# KiCad board Main.kicad_pcb (continued)
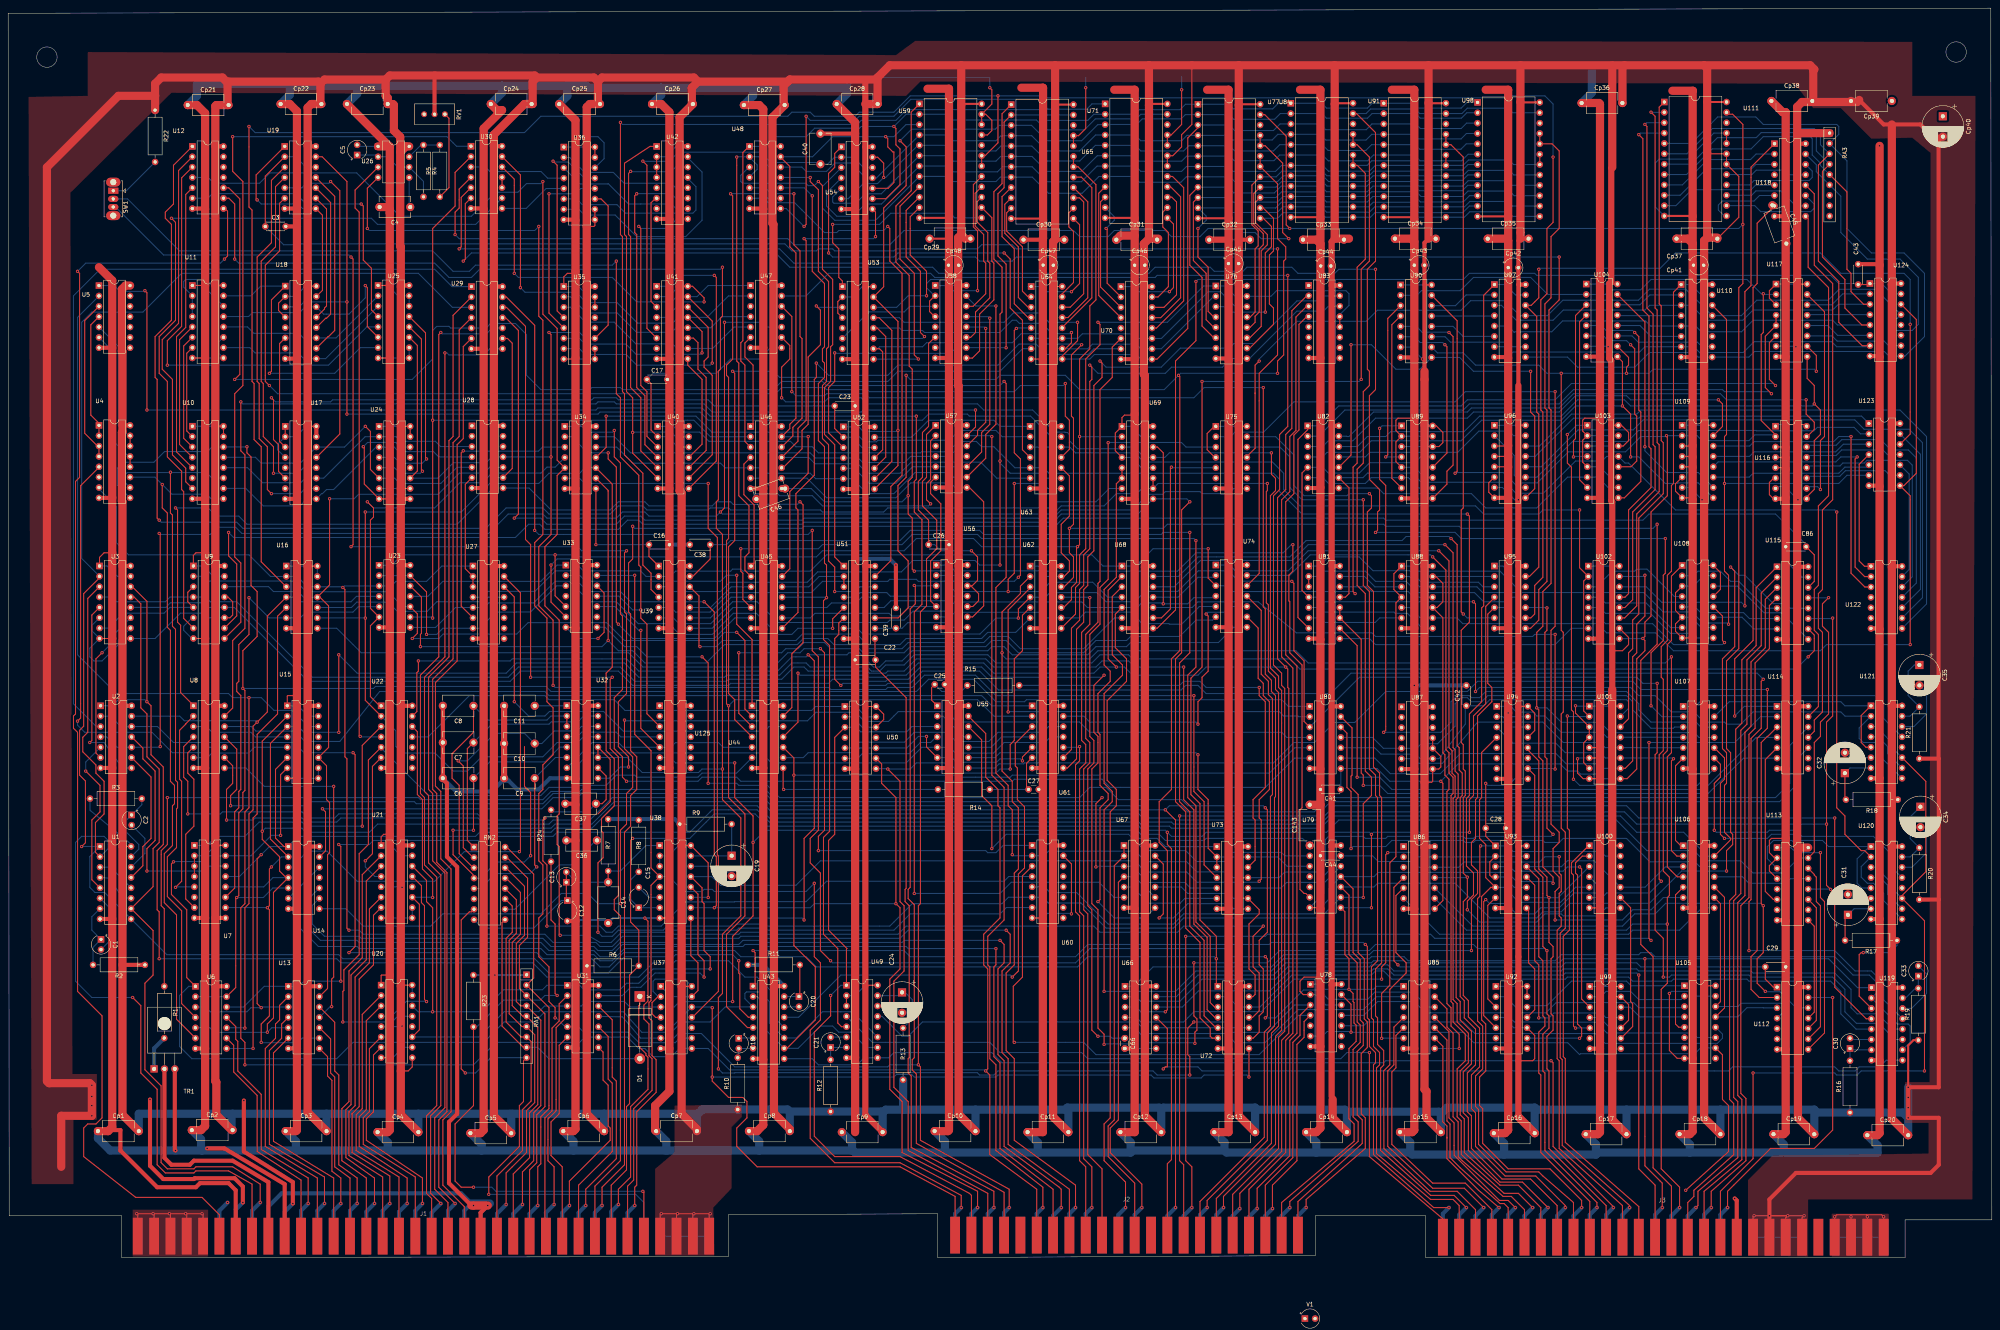
[diagram p0: board, top side]
## Routing (per net, layer and track width the routed paths; a pad name or vN(x,y) marks a point on that pad's centre or on a via; arc(x,y) is an arc through that point) (continued)
Net-(U102-CEP): length 63.1
  Bottom w0.25: U81.9 333.53,151.72 335,150.25 379,150.25 383,154.25 U102.7
Net-(U102-D0): length 27.6
  Bottom w0.25: U102.3 389.16,164.41 393,168.25 398.5,168.25 399,168.75 401.5,168.75 408.21,162.04 U108.4
Net-(U102-D1): length 26.1
  Bottom w0.25: U102.4 389.88,161.87 391.3,160.46 401.3,160.46 407.33,154.42 U108.7
Net-(U102-D2): length 33.7
  Bottom w0.25: U102.5 389.92,159.33 391.33,157.91 402.33,157.91 407.25,153 412.25,153 413.37,151.88 U108.9
Net-(U102-D3): length 46.2
  Top w0.25: U108.12 420,157.25 420,151.25 v1(420.5,150.75)
  Bottom w0.25: U102.6 389.96,156.79 391.38,155.38 402.88,155.38 408,150.25 420,150.25 v1(420.5,150.75)
Net-(U102-Q0): length 149
  Top w0.25: U118.1 427,267.28 427,238.25 425.5,236.75 v1(425.5,159.75)
  Bottom w0.25: v1(425.5,159.75) 424.62,160.62 405.12,160.62 401.34,164.41 U102.14
Net-(U102-Q1): length 125.1
  Top w0.25: v1(399.5,275.25) 400.5,274.25 400.5,232.25 402,230.75 402,198.75 402.5,198.25 402.5,188.75 397,183.25 397,162.75 396.12,161.87 U102.13
  Bottom w0.25: U111.4 399.88,275.63 v1(399.5,275.25)
Net-(U102-Q2): length 128.8
  Top w0.25: U102.12 396.08,159.33 398,161.25 398,182.75 403.5,188.25 403.5,198.75 403,199.25 403,231.25 401.5,232.75 401.5,277.25 v1(401,277.75)
  Bottom w0.25: v1(401,277.75) 401.42,278.17 U111.3
Net-(U102-Q3): length 132.9
  Top w0.25: v1(402.5,280.75) 403.5,279.75 403.5,232.75 404,232.25 404,199.75 404.5,199.25 404.5,187.75 399,182.25 399,159.75 396.04,156.79 U102.11
  Bottom w0.25: U111.2 402.54,280.71 v1(402.5,280.75)
Net-(U103-I1b): length 74.7
  Bottom w0.25: U103.10 391.99,188.76 389.45,191.3 U103.6 382.05,191.3 374.5,183.75 362,183.75 358.5,187.25 337,187.25 335.62,188.63 U82.8
Net-(U103-I1d): length 275.7
  Top w0.25: v1(448,182.75) 448,110.25 450,108.25 450,103.75 454,99.75 454.84,99.75 U120.2 ; U82.9 328.5,188.67 328.5,162.75 327.63,161.88 U81.13
  Bottom w0.25: v1(448,182.75) 447.5,183.25 408.5,183.25 397,194.75 396.13,194.75 U103.13 391.63,196.38 390.5,195.25 384,195.25 376.1,187.34 369.4,187.34 366.7,190.04 346.2,190.04 343.95,192.29 333.05,192.29 331.92,191.17 U82.9 ; U120.9 459.5,87.47 459.5,89.25 457,91.75 455.5,91.75 454,93.25 454,95.83 U120.2
Net-(U103-S): length 127.8
  Top w0.25: v1(383.5,117.25) 383.5,133.75 383,134.25 383,193.75 382,194.75 v1(382,201.75)
  Bottom w0.25: v1(383.5,117.25) 385,115.75 413.87,115.75 U107.8 ; U103.1 384.25,204 v1(382,201.75)
Net-(U103-Za): length 42
  Top w0.25: v1(383.5,196.25) 383.5,200.25 384,200.75 384,230.91 U104.3
  Bottom w0.25: v1(383.5,196.25) 383.63,196.38 U103.4
Net-(U103-Zb): length 43.7
  Top w0.25: U104.4 385,229.37 385,190.64 U103.7
Net-(U103-Zc): length 56.9
  Top w0.25: v1(398.5,226.75) 399.5,225.75 399.5,207.75 400,207.25 400,190.25 395.97,186.22 U103.9
  Bottom w0.25: U104.5 390.29,228.46 391.5,227.25 398,227.25 v1(398.5,226.75)
Net-(U103-Zd): length 46
  Top w0.25: v1(397.5,223.75) 398.5,222.75 398.5,206.75 399,206.25 399,195.25 397.59,193.84 U103.12
  Bottom w0.25: v1(397.5,223.75) 396.5,224.75 392,224.75 390.83,225.92 U104.6
Net-(U104-Q0): length 16.6
  Bottom w0.25: U104.14 399.79,233.54 402.21,235.96 U110.2
Net-(U104-Q1): length 15.7
  Bottom w0.25: U104.13 394.37,230.88 U110.4
Net-(U104-Q2): length 16.8
  Bottom w0.25: U110.6 402.55,225.8 402.5,225.75 399.79,228.46 U104.12
Net-(U104-Q3): length 24.5
  Bottom w0.25: U104.11 397.83,225.92 399.5,224.25 399.63,224.38 413.87,224.38 415,223.25 415.01,223.26 U110.10
Net-(U104-TC): length 61.6
  Top w0.25: v1(401,198.75) 401,229.33 U104.15
  Bottom w0.25: U109.10 414.08,192.43 406.32,192.43 401,197.75 v1(401,198.75)
Net-(U104-~{PE}): length 132.8
  Top w0.25: U104.9 395.5,219.59 v1(395.5,208.75) 397.5,206.75 v1(397.5,196.25)
  Bottom w0.25: v1(397.5,196.25) 399.5,196.25 406,189.75 409,189.75 409.13,189.88 414.08,189.88 U109.9 ; v1(395.5,208.75) 384,208.75 380.5,205.25 361,205.25 355.95,200.21 333.95,200.21 331.12,197.38 323.12,197.38 322,196.25 U82.4
Net-(U105-A3): length 49.7
  Top w0.25: U105.13 420.5,61.19 420.5,88.29 U106.10
  Bottom w0.25: U112.3 430.04,61.21 430,61.25 426,61.25 423.75,59 U105.13
Net-(U105-A4): length 49.5
  Top w0.25: U105.14 419.5,62.73 419.5,86.75 U106.9
  Bottom w0.25: U105.14 423.8,61.55 424.58,62.33 434.92,62.33 435.5,61.75 435.5,60.75 435.46,60.75 U112.4
Net-(U105-D0): length 41.7
  Bottom w0.25: U92.12 372.46,61.75 377,61.75 383,67.75 396.5,67.75 397.62,66.62 U105.1
Net-(U105-D1): length 24.9
  Bottom w0.25: U105.2 409.87,63.25 399.5,63.25 397.5,65.25 391.5,65.25 390.16,63.91 U99.2
Net-(U105-D2): length 49.5
  Bottom w0.25: U105.3 410.4,61.25 399.5,61.25 398.25,62.5 379.25,62.5 376.75,60 370.75,60 366.8,63.95 U92.2
Net-(U105-D3): length 16.6
  Bottom w0.25: U105.4 399.75,59 397.38,61.37 U99.12
Net-(U105-D4): length 36.8
  Top w0.25: U106.5 408.5,88.91 408.5,57.25 409.29,56.46 U105.5
Net-(U106-Pad1): length 23.4
  Top w0.25: U107.6 408.5,120.54 408.5,102.25 409.8,100.95 U106.1
Net-(U106-Pad8): length 82.4
  Bottom w0.25: U86.6 350.68,79.25 397,79.25 398,80.25 409.5,80.25 414.96,85.71 U106.8
Net-(U107-Pad2): length 434.8
  Top w0.25: v1(335,177.75) 335.5,178.25 335.5,182.75 336,183.25 336,188.25 333.5,190.75 333.5,211.25 335,212.75 v1(335,242.25) ; v1(406,176.25) 406,167.75 405.5,167.25 405.5,151.25 402.5,148.25 v1(402.5,135.25) ; v1(111.5,244.25) 112,244.75 112,258.33 U30.6
  Bottom w0.25: v1(402.5,135.25) 405.17,132.58 U107.2 ; v1(406,176.25) 356,176.25 354.5,177.75 v1(335,177.75) ; v1(111.5,244.25) 113.5,246.25 188,246.25 191.5,242.75 226.5,242.75 228,241.25 279.5,241.25 281,242.75 294.5,242.75 295.5,241.75 302.5,241.75 303.5,242.75 314.5,242.75 316,241.25 325,241.25 326,242.25 v1(335,242.25)
Net-(U108-I0a): length 27.5
  Bottom w0.25: U115.5 430.58,159.17 424,165.75 422,165.75 419.5,168.25 414,168.25 412.87,167.12 U108.2
Net-(U108-I0b): length 24.4
  Bottom w0.25: U108.5 413.25,159.5 414.67,158.09 425.17,158.09 426.62,156.63 U115.6
Net-(U108-I0c): length 16.8
  Bottom w0.25: U108.11 424.79,156.96 427.66,154.09 U115.7
Net-(U108-I0d): length 28.6
  Bottom w0.25: U115.9 434.5,158.04 430.2,158.04 423.67,164.58 U108.14
Net-(U109-Q0): length 74.5
  Top w0.25: U122.3 454.88,164.37 451.5,167.75 v1(451.5,201.25)
  Bottom w0.25: v1(451.5,201.25) 448.5,201.25 447.25,200 427.75,200 426.67,198.92 U109.14
Net-(U109-Q1): length 39.4
  Bottom w0.25: U123.3 449.62,199.37 447.75,197.5 427.75,197.5 426.63,196.38 U109.13
Net-(U109-Q2): length 68.3
  Top w0.25: v1(453,196.25) 452.5,195.75 452.5,169.25 454.84,166.91 U122.2
  Bottom w0.25: U109.12 418.94,195.03 447.79,195.03 449,196.25 v1(453,196.25)
Net-(U109-Q3): length 39.4
  Bottom w0.25: U109.11 426.55,191.3 427.5,192.25 448.5,192.25 450,193.75 455.34,193.75 U123.5
Net-(U109-TC): length 116.3
  Top w0.25: U109.15 420,203.71 420,209.25 v1(419,210.25)
  Bottom w0.25: v1(419,210.25) 397.5,210.25 396.5,211.25 384,211.25 380,207.25 359,207.25 357.5,205.75 335,205.75 329.45,200.21 323.45,200.21 322.04,198.79 U82.3
Net-(U110-I6): length 201.4
  Top w0.25: U110.14 421,229.92 421,201.75 420.5,201.25 v1(420.5,189.75) 420.5,168.25 421.5,167.25 v1(421.5,155.25)
  Bottom w0.25: U123.6 450.5,191.75 448.5,189.75 v1(420.5,189.75) ; U88.2 343.3,166.95 345.84,164.41 U88.12 359.84,164.41 361.25,163 400.75,163 405.5,158.25 412.5,158.25 415.2,155.54 421.2,155.54 v1(421.5,155.25)
Net-(U111-D0): length 30.1
  Bottom w0.25: U118.2 428.24,270.49 426.88,269.13 416.38,269.13 410.18,262.93 U111.9
Net-(U111-D1): length 30.1
  Bottom w0.25: U111.10 409.64,260.39 416.13,266.88 427.13,266.88 428.2,267.95 U118.3
Net-(U111-D2): length 29.1
  Bottom w0.25: U118.5 428.12,262.87 427,261.75 412.5,261.75 408.6,257.85 U111.11
Net-(U111-D3): length 18.6
  Bottom w0.25: U111.13 420.44,255.31 419,256.75 419,258 419.98,258.98 427.73,258.98 429.08,260.33 U118.6
Net-(U111-D4): length 26.4
  Bottom w0.25: U111.14 427.9,257.85 429.38,256.38 441.62,256.38 442.5,257.25 442.5,258.2 U118.11
Net-(U111-D5): length 21.3
  Bottom w0.25: U118.10 437.96,257.79 434.3,261.45 428.2,261.45 427.14,260.39 U111.15
Net-(U111-D6): length 25.6
  Bottom w0.25: U118.14 442,266.32 442,264.75 441.25,264 427.75,264 426.68,262.93 U111.16
Net-(U111-D7): length 20.3
  Bottom w0.25: U111.17 427.22,265.47 428.29,266.53 435.21,266.53 436.34,265.41 U118.13
Net-(U112A-CP): length 120.5
  Top w0.25: C29.1 430.5,68.25 432.46,66.29 U112.1 ; U86.4 339.5,90.75 339.5,72.75 v1(340.5,71.75)
  Bottom w0.25: v1(340.5,71.75) 341,71.25 380.5,71.25 381.5,72.25 399,72.25 400,71.25 C29.1
Net-(U112B-MR): length 167.2
  Top w0.25: U114.3 431.09,127.75 431,127.75 429.5,126.25 429.5,86.75 v1(430,86.25) 430,74.75 428.5,73.25 428.5,67.25 v1(430.5,65.25)
  Bottom w0.25: U112.12 438.04,61.21 434.08,65.17 430.58,65.17 v1(430.5,65.25) ; v1(430,86.25) 429.42,86.84 406.08,86.84 403.5,84.25 398.5,84.25 395.5,81.25 358.84,81.25 U86.10
Net-(U112B-Q0): length 25.3
  Top w0.25: U113.9 442.5,81.21 442.5,60.17 U112.11
Net-(U112B-Q1): length 33.3
  Top w0.25: U113.11 442.5,86.29 442.5,86.25 443,85.75 443,58.13 U112.10
Net-(U112B-Q2): length 44.3
  Top w0.25: U113.14 442.5,93.91 442.5,93.75 443,93.25 443,87.25 444,86.25 444,56.59 U112.9
Net-(U112B-Q3): length 61.4
  Top w0.25: v1(444,99.25) 444,88.25 445,87.25 445,55.05 U112.8
  Bottom w0.25: v1(444,99.25) 438,99.25 436.76,100.49 U113.1
Net-(U113-A2): length 24.1
  Bottom w0.25: U113.13 436.62,92.87 435.5,91.75 426.5,91.75 424.92,93.33 U106.11
Net-(U113-Oa=b): length 40.1
  Top w0.25: U113.6 432.46,87.79 430.5,89.75 430.5,122.08 U114.5
Net-(U116-CET): length 53.7
  Top w0.25: U117.15 445,231.83 445,201.25 444,200.25 v1(444,188.25)
  Bottom w0.25: 440.62,188.96 443.29,188.96 v1(444,188.25)
Net-(U116-Q0): length 64.9
  Bottom w0.25: U122.11 467.5,165.33 467.5,196 465.55,197.96 461.3,197.96 458.75,200.5 449.25,200.5 447.87,199.12 440.62,199.12
Net-(U116-Q1): length 23.9
  Bottom w0.25: U123.11 460.42,196.83 459.3,197.96 449.2,197.96 447.83,196.58 440.62,196.58
Net-(U116-Q2): length 57.8
  Bottom w0.25: U122.12 466.5,166.87 466.5,194.25 465.33,195.41 455.41,195.41 454.75,194.75 449.5,194.75 448.79,194.04 440.62,194.04
Net-(U116-Q3): length 23.9
  Bottom w0.25: U123.9 461,191.75 459.88,192.88 450.12,192.88 448.75,191.5 440.62,191.5
Net-(U116-TC): length 130
  Top w0.25: v1(440.5,210.25) 440.5,206.75 442.5,204.75 442.5,203 441.16,201.66 440.62,201.66
  Bottom w0.25: v1(440.5,210.25) 421,210.25 419.5,211.75 383.5,211.75 380,208.25 358.5,208.25 357.5,207.25 334.5,207.25 328.5,201.25 328,201.25 327.92,201.33 U82.13
Net-(U116-~{PE}): length 159.2
  Top w0.25: 440.62,186.42 442.5,188.3 442.5,200.25 444,201.75 444,207.75 v1(442.5,209.25) 442.5,213.75 440.75,215.5 U117.9
  Bottom w0.25: U82.12 330.54,198.79 333,201.25 337.5,201.25 338.7,202.46 356.7,202.46 360.5,206.25 380.5,206.25 384.5,210.25 396,210.25 397.5,208.75 442,208.75 v1(442.5,209.25)
Net-(U117-D1): length 139.7
  Top w0.25: v1(432,211.75) 430.5,213.25 430.5,225.83 U117.5 U117.4
  Bottom w0.25: U82.2 321.08,201.33 327.5,207.75 356.5,207.75 358,209.25 380,209.25 383.5,212.75 420,212.75 420.5,212.25 431.5,212.25 v1(432,211.75)
Net-(U117-D3): length 184.3
  Top w0.25: U82.1 318.38,202.92 316,200.54 316,156.89 U81.7 ; U117.6 431.5,224.29 431.5,215.25 v1(433,213.75)
  Bottom w0.25: U82.1 321.12,203.87 326,208.75 356,208.75 357.5,210.25 379,210.25 383,214.25 432.5,214.25 v1(433,213.75)
Net-(U117-Q0): length 16.5
  Bottom w0.25: U117.14 446.79,233.54 449.46,236.21 U124.2
Net-(U117-Q1): length 15.4
  Bottom w0.25: U124.4 440.88,231.13 U117.13
Net-(U117-Q2): length 16.4
  Bottom w0.25: U117.12 445.79,228.46 448.2,226.05 U124.6
Net-(U117-Q3): length 24
  Bottom w0.25: U117.11 446.83,225.92 448.12,224.63 459.62,224.63 460.74,223.51 U124.10
Net-(U118-Zb): length 140.4
  Top w0.25: U118.7 428.5,253.54 428.5,238.75 427.5,237.75 427.5,151.25 423,146.75 v1(423,132.75)
  Bottom w0.25: U114.1 425.37,135.12 v1(423,132.75)
Net-(U118-Zc): length 127.9
  Top w0.25: U118.9 441,254.62 441,242.75 446,237.75 446,186.75 443.5,184.25 443.5,164.75 442.5,163.75 442.5,153.75 443.5,152.75 443.5,135.08 U114.13
Net-(U118-Zd): length 141.4
  Top w0.25: U118.12 442.5,260.74 442.5,243.25 447,238.75 447,185.75 444.5,183.25 444.5,163.75 443.5,162.75 443.5,154.25 444.5,153.25 444.5,133.75 442.5,131.75 442.5,129 U114.11
Net-(U119A-B): length 325.3
  Top w0.25: U68.3 270.5,162.04 270.5,147.75 273,145.25 273,142.75 268.5,138.25 268.5,116.25 270.5,114.25 270.5,111.75 268.5,109.75 v1(268.5,65.25)
  Bottom w0.25: U119.10 466,52.8 466,56.75 465.5,57.25 462.87,57.25 U119.2 458,65.12 458,67.25 456,69.25 452,69.25 447.5,73.75 403.5,73.75 402.5,74.75 400,74.75 399.5,74.25 380.5,74.25 379,72.75 343,72.75 342,73.75 334,73.75 333.5,73.25 312.5,73.25 309.5,70.25 291,70.25 286,65.25 v1(268.5,65.25)
Net-(U119A-Cext): length 15
  Bottom w0.25: C33.2 470,69.5 470,64.75 466.33,61.08 U119.14
Net-(U119A-Q): length 366.7
  Top w0.25: v1(204,140.25) 202.5,141.75 202.5,151.75 203.5,152.75 203.5,155.54 U51.6 ; v1(426.5,75.25) 426.5,87.25 427,87.75 427,127.25 429.5,129.75 429.5,141.25 v1(430,141.75)
  Bottom w0.25: U119.13 459.5,63.16 459.5,67.25 456.5,70.25 452.5,70.25 447.5,75.25 v1(426.5,75.25) ; v1(430,141.75) 428.5,143.25 329,143.25 324,138.25 293.5,138.25 291.5,140.25 288.5,140.25 287.38,139.12 242.62,139.12 238,143.75 224,143.75 221,140.75 215.5,140.75 215,140.25 210.5,140.25 210,140.75 204.5,140.75 v1(204,140.25)
Net-(U119A-RCext): length 7.7
  Bottom w0.25: C33.1 468,66.25 467.5,66.25 464.87,63.62 U119.15
Net-(U119B-A): length 198.1
  Top w0.25: U66.11 284,56.12 284,46.75 283.5,46.75 v1(283,46.25)
  Bottom w0.25: U119.9 460.13,48.38 458.5,46.75 453.5,46.75 452.5,45.75 448.5,45.75 447.5,46.75 422.5,46.75 421.5,45.75 292.5,45.75 291.5,46.75 283.5,46.75 v1(283,46.25)
Net-(U119B-Cext): length 5.4
  Bottom w0.25: U119.6 451.54,53.46 C30.2
Net-(U119B-RCext): length 8.4
  Bottom w0.25: R16.2 C30.1 451.58,50.92 U119.7
Net-(U119B-~{Q}): length 204.2
  Bottom w0.25: U66.2 276.3,63.95 277.43,62.82 287.07,62.82 292.5,68.25 310.5,68.25 313.5,71.25 333.5,71.25 334,71.75 338,71.75 339.5,70.25 380.5,70.25 381,70.75 399,70.75 399.5,70.25 427,70.25 427.5,69.75 447.5,69.75 451.5,65.75 451.5,61.25 453,59.75 458,59.75 461.75,56 U119.12
Net-(U120A-A): length 76.1
  Top w0.25: v1(420.5,102.75) 419.5,103.75 419.5,116.25 420.5,117.25 420.5,122.46 U107.10
  Bottom w0.25: v1(420.5,102.75) 431,102.75 432,103.75 437.5,103.75 439,102.25 444.5,102.25 446,100.75 U120.1 456,100.75 453,97.75 453,91.75 454.16,90.59 U120.5
Net-(U120A-Cext): length 14.4
  Bottom w0.25: C34.2 470,104 470,99.25 466.42,95.67 U120.14
Net-(U120A-Q): length 72
  Top w0.25: v1(418,104.75) 418,116.25 419.5,117.75 419.5,120.92 U107.9
  Bottom w0.25: v1(418,104.75) 418.5,104.25 431,104.25 431.5,104.75 438,104.75 439.5,103.25 457,103.25 461,99.25 461,96.13 U120.13
Net-(U120A-RCext): length 17.2
  Bottom w0.25: U120.15 466.01,98.21 R20.1 466,102.7 466,108 C34.1
Net-(U120A-~{Q}): length 12.1
  Bottom w0.25: U120.10 460.5,89.01 460.5,91.25 458.62,93.13 U120.4
Net-(U120B-Cext): length 6
  Bottom w0.25: C31.2 451.7,88.05 U120.6
Net-(U120B-RCext): length 12.8
  Top w0.25: R17.2 450.05,83.3 C31.1
  Bottom w0.25: C31.1 452.26,85.51 U120.7
Net-(U121A-A): length 53.2
  Top w0.25: U121.1 454,132.87 454,126.25 455.16,125.09 U121.5
  Bottom w0.25: U121.1 450,135.25 449,136.25 421.67,136.25 U107.13
Net-(U121A-B): length 254.2
  Top w0.25: v1(359.5,138.75) 359.5,160.25 v1(359,160.75) ; U81.4 317,163.51 317,192.33 U82.5
  Bottom w0.25: U81.4 321.37,161.88 322.5,160.75 359,160.75 v1(359,160.75) ; U89.13 346,196.25 344.58,194.84 333.58,194.84 331.05,192.29 323.55,192.29 323.5,192.25 322.04,193.71 U82.5 ; U121.9 459,122.47 459,124.75 457.5,126.25 454.5,126.25 453.5,127.25 453.5,129.83 U121.2 450.04,132.71 449,133.75 427.5,133.75 424.5,130.75 421,130.75 420.5,131.25 415.5,131.25 413,133.75 407.5,133.75 403.5,137.75 399.5,137.75 397.5,139.75 360.5,139.75 v1(359.5,138.75)
Net-(U121A-Cext): length 15
  Bottom w0.25: U121.14 466.92,130.17 470,133.25 470,138.5 C35.2
Net-(U121A-Q): length 61
  Bottom w0.25: U107.1 413.37,135.12 416,137.75 457.5,137.75 459.5,135.75 459.5,132.13 U121.13
Net-(U121A-RCext): length 18.5
  Bottom w0.25: U121.15 465.96,132.71 R21.2 465.5,137.75 465.5,143.75 467,145.25 C35.1
Net-(U121A-~{Q}): length 11.8
  Bottom w0.25: U121.10 460.5,123.51 460.5,125.25 458.12,127.63 U121.4
Net-(U121B-Cext): length 6.9
  Bottom w0.25: U121.6 451.2,122.55 C32.2
Net-(U121B-RCext): length 13.5
  Top w0.25: C32.1 450,112.5 R18.2
  Bottom w0.25: C32.1 451.26,120.01 U121.7
Net-(U122-Pad1): length 30.5
  Top w0.25: U122.1 454.8,169.45 453.5,170.75 453.5,194.45 U123.4
Net-(U122-Pad10): length 46.6
  Bottom w0.25: U123.13 468.5,196.91 468.5,163.79 U122.10
Net-(U122-Pad13): length 29
  Bottom w0.25: U122.13 465.75,168.66 465.75,192.04 U123.10
Net-(U124-I6): length 217.9
  Top w0.25: v1(466,150.25) 466,186.71 U123.8 464.46,189.21 467.5,192.25 467.5,229.92 U124.14
  Bottom w0.25: U88.5 343.42,159.33 345.96,156.79 U88.9 354.96,156.79 356.37,155.38 389.37,155.38 391.62,153.12 403.62,153.12 408,148.75 444,148.75 445.5,150.25 v1(466,150.25)
Net-(U124-OEa): length 265.7
  Top w0.25: U124.1 455.88,238.5 C43.1 ; v1(291,239.25) 291,224.75 286,219.75 286,158.75 281.51,154.26 U68.8
  Bottom w0.25: U124.15 461.54,236.21 459,238.75 U124.1 ; 453.25,238.75 448.5,238.75 446.5,240.75 374.5,240.75 374,241.25 358,241.25 356.5,239.75 291.5,239.75 v1(291,239.25)
unconnected-(J3-Pin_19-Pad19): length 9.7
  Top w1: v1(423,14.5) 423.5,14 J3.19

## Copper pours and planes (outline as drawn; the poured copper is in the pictures)
GNDPWR on Top: 30.5,0.25 49,0.25 49,11.75 30.5,11.75
GNDPWR on Top: 446.75,0.25 446.75,10.75 460.75,10.75 460.75,0.25
GNDPWR on Bottom: 30.5,0.5 49,0.5 49,18.5 447,18.03 447,0 461,0 461,18.01 471.75,18 471.75,28 15.5,28.5 14.75,271.25 30,271.25 30,284.25 219.5,284.25 223,287.75 455.75,288.75 455.75,275.25 466.5,275.25 471,270 471.75,28 471.75,18 482.5,18 481.75,285.5 466,285.75 466,298.75 221.25,297.75 217.25,294.75 19.25,294.75 19.25,284.5 4.25,284.5 5,18 30.5,18
VCC on Top: 5.75,18 16,18 16,33.75 21.75,33.75 21.75,45 15.75,45 15.25,261 40,285.5 220,284.75 223.5,288.25 437.75,287.75 442.25,281.75 449,281.75 456.5,274.25 466.5,274.5 471,270.75 470.75,43 464.75,43 464.75,33 470.5,33 470.5,25.5 432.25,25 426.25,19 426.25,0.5 441,0.25 441,14.25 481.25,14.25 482,284.75 466.5,284.75 466.5,298 222.25,298.25 217.5,294.75 19.5,295.5 19.5,284.75 5,284.5
VCC on Top: 158.5,0.5 173,0.5 172.75,12.25 177.25,17 177.25,32 179.75,34.5 179.75,37.5 163.25,37.25 163.25,25.75 158.5,21.75
VCC on Bottom: 158.5,0.75 173,0.75 173,11.75 158.5,11.75
VCC on Bottom: 17.75,43.5 17.75,33 469,32.75 469,42.75
